# Allegro board WeChat_ZM_PART_20200601.brd (continued)
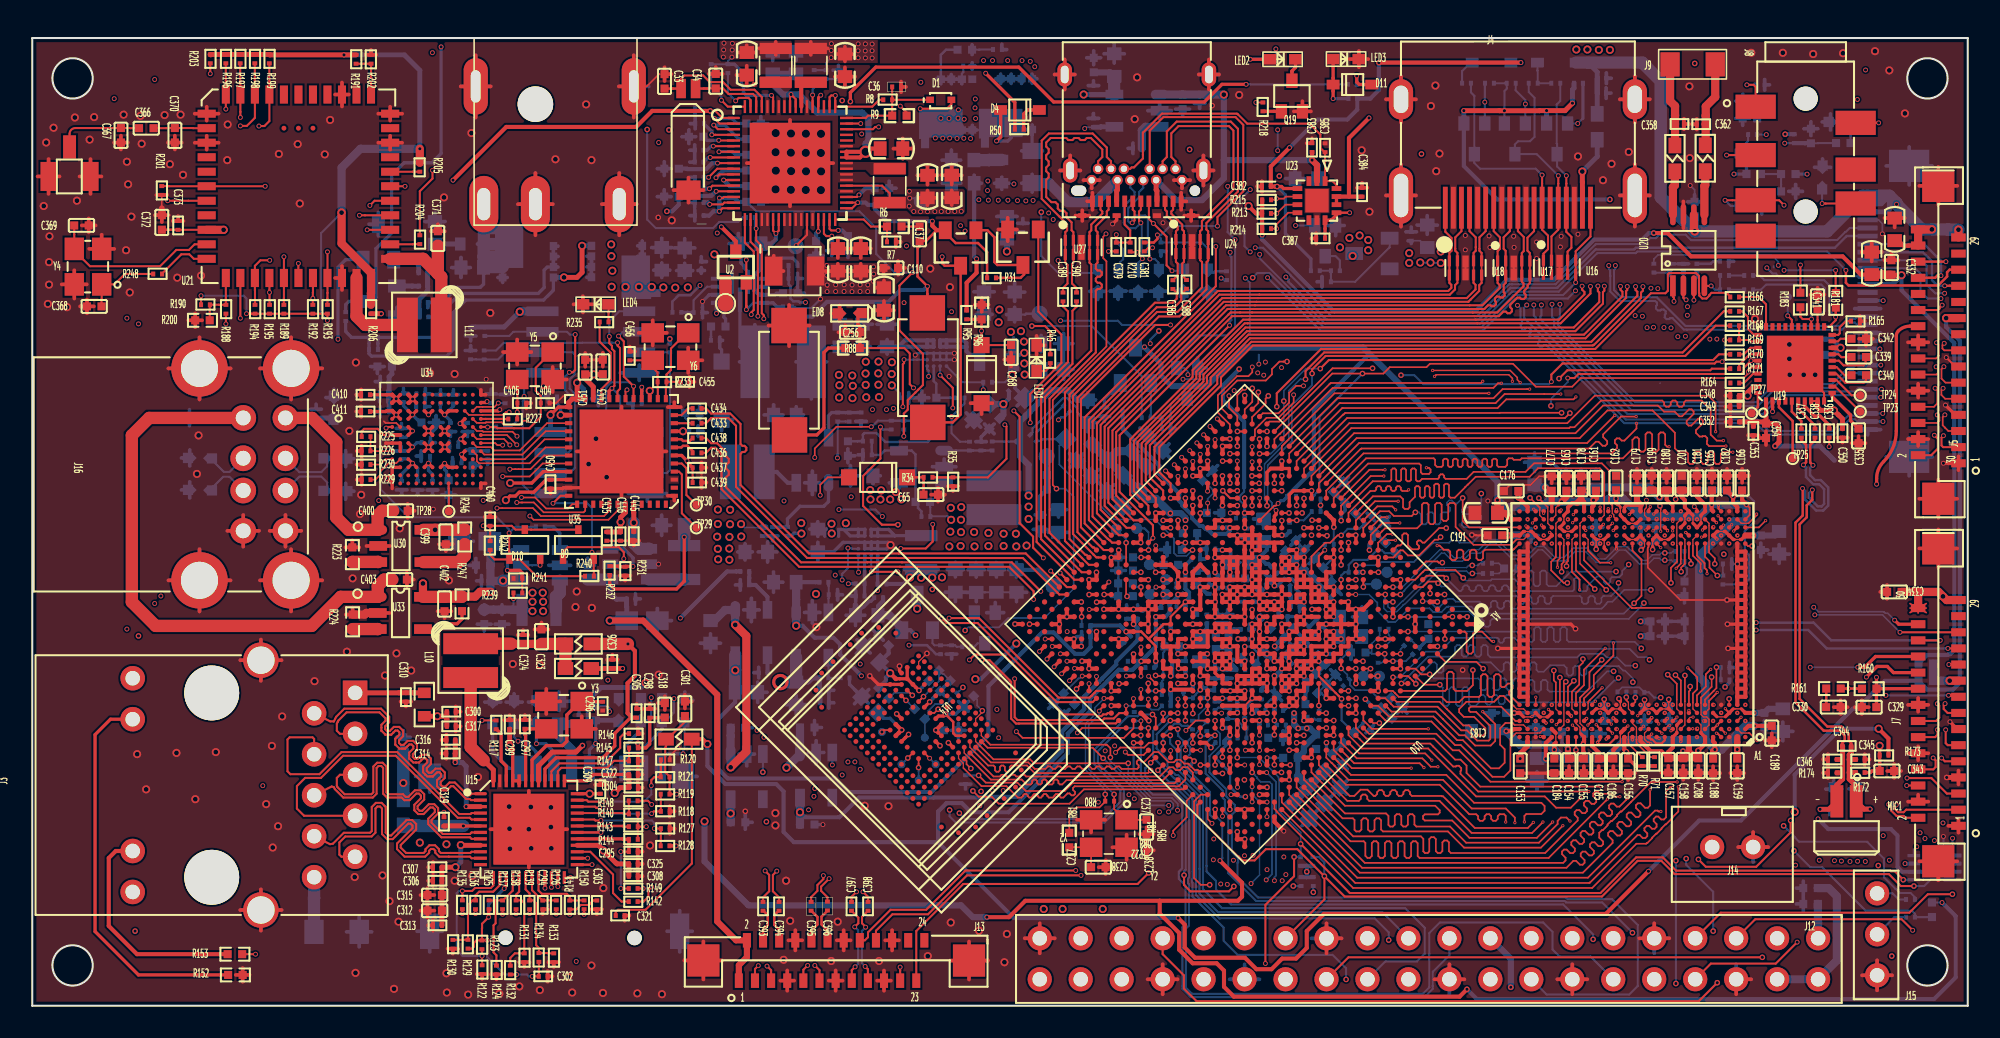
[diagram p0: board, top side]
## Routing (per net, layer and track width the routed paths; a pad name or vN(x,y) marks a point on that pad's centre or on a via; arc(x,y) is an arc through that point) (continued)
  TOP w0.152: v1(118.57,44.64) 118.9,44.64 118.9,44.63 J5.23
  SIG1 w0.127: v1(76.45,2.62) 76.72,2.62 J12.28 ; v1(118.57,44.64) 117.94,44.64 116.9,43.6 116.9,12.01 115.66,10.76 115.66,8.39 116,8.05 v2(116,7.81)
  BOTTOM w0.102: v2(78.64,10.04) 78.64,10.75 77.3,12.08 77.3,14.01 77.27,14.05 77.27,14.17 76.05,15.39 v2(74.71,15.39)
  BOTTOM w0.127: U29.5 v2(116,7.81) ; v2(78.64,10.04) R104.1 v2(78.23,9.23)
  BOTTOM w0.152: v1(118.57,44.64) 118.13,44.64 117.78,44.99 117.78,46.16 117.21,46.72 J6.23
I2C2_SCL_3V0: length 17.8
  TOP w0.127: v1(116.59,4.68) 115.9,5.36 106.83,5.36 J12.5
  SIG1 w0.127: v1(116.84,9.86) 116.84,7.9 117.02,7.73 117.02,5.11 v1(116.59,4.68)
  BOTTOM w0.127: v1(116.84,9.86) 116.66,9.68 U29.8
I2C2_SDA: length 106.5
  TOP w0.127: v2(116.66,7.42) 115.85,7.42 115.11,8.16 101.82,8.16 101,8.98 99.53,8.98 97.32,6.77 81.37,6.77 v2(80.11,8.03) ; J12.27 80.11,6.59 v2(80.11,8.03) ; v2(80.11,8.03) 78.44,9.71 76.48,9.71 75.79,9.01 75.04,9.01 74.8,9.25 74.75,9.25 72.24,11.77 72.24,12.45 U10.G31
  TOP w0.152: J5.24 117.98,45.13 118.11,45.27 v1(118.34,45.27)
  SIG1 w0.127: v2(116.66,7.42) 115.95,7.42 115.44,7.93 115.44,10.88 116.61,12.04 116.61,44.46 117.42,45.27 v1(118.34,45.27)
  BOTTOM w0.127: v2(116.66,7.42) 117.3,7.42 117.69,7.81 U29.4 ; v2(80.11,8.03) 80.11,8.87 79.76,9.23 R103.1
  BOTTOM w0.152: J6.24 117.3,47.22 118.34,46.18 v1(118.34,45.27)
I2C2_SDA_3V0: length 18.1
  SIG1 w0.127: v2(115.29,3.08) 115.7,3.08 119.51,6.89 119.51,9.94 v1(119.06,10.39)
  SIG2 w0.127: J12.3 109.29,3.08 v2(115.29,3.08)
  BOTTOM w0.127: U29.1 v1(119.06,10.39)
I2C7_SCL_HDMI: length 126.9
  TOP w0.102: U10.H28 73.4,14.4 v2(73.79,14.4)
  SIG1 w0.102: 115.37,23.3 115.37,13.93 114.76,13.32 v1(114.76,10.55) ; v1(110.79,9.02) 109.12,7.35 79.74,7.35 v2(79.43,7.04) 79.23,6.84 72.85,6.84 71.93,7.75 71.93,12.54 v2(73.79,14.4)
  SIG1 w0.127: 115.37,23.3 115.76,23.69 115.76,24.81 115.51,25.06 115.51,43.31 115.19,43.63 115.19,49.72 115.53,50.06 115.53,50.38 115.19,50.72 115.19,56.49 v1(113.67,58.02)
  SIG2 w0.102: v1(114.76,10.55) 112.32,10.55 v1(110.79,9.02)
  SIG2 w0.127: v1(92.57,55.91) 93.75,57.09 93.75,57.34 94.43,58.02 v1(113.67,58.02)
  BOTTOM w0.127: Q15.2 v1(92.57,55.91) 92.57,56.15 91.97,56.76 R154.2 ; R106.1 v2(79.43,7.04)
I2C7_SDA_HDMI: length 116.2
  TOP w0.102: U10.G30 72.44,13.09 72.03,12.68 72.03,7.91 72.45,7.5 v2(73,7.5)
  SIG1 w0.102: v2(73,7.5) 73,7.27 73.23,7.04 77.8,7.04 v2(78.18,7.42) 78.82,7.42 79.78,8.39 80.78,8.39 81.62,7.55 108.93,7.55 112.17,10.79 112.17,21.16 112.89,21.87 112.89,33.72 113.16,33.98 v1(113.16,56.19)
  SIG2 w0.127: v1(113.16,56.19) 111.84,56.19 110.35,54.7 v1(95.82,54.7)
  BOTTOM w0.127: 96.14,55.02 v1(95.82,54.7) Q17.2 ; R105.1 v2(78.18,7.42)
  BOTTOM w0.203: 96.14,55.02 R158.2
I2C_SCL: length 72.3
  TOP w0.102: R213.2 v1(77.16,49.12) 77.71,49.67 U23.6 ; v1(67.16,15.71) 67.46,16.01 68.15,16.01 68.16,16 68.41,16 68.41,16.01 68.94,16.01 69.23,16.3 U10.P30
  SIG1 w0.102: v1(66.1,12.62) 66.1,13.32 67.16,14.39 v1(67.16,15.71) ; v1(57.84,48.04) 58.27,47.6 58.27,35.08 56.3,33.11 56.3,28.4 60.39,24.31 60.39,23.98 60.39,22.02 60.55,21.86 60.55,15.22 60.2,14.86 v1(60.2,13.34)
  SIG2 w0.102: v1(77.16,49.12) 76.96,48.93 65.43,48.93 64.24,47.73 58.14,47.73 v1(57.84,48.04) ; v1(60.2,13.34) 63.91,13.34 64.08,13.52 65.56,13.52 66.1,12.98 v1(66.1,12.62)
I2C_SCL_CAM: length 68.3
  TOP w0.102: U10.Y6 v2(78.4,30.09)
  TOP w0.127: v1(95.2,38.92) 95.62,38.92 95.87,39.17 105.97,39.17 106.11,39.31 106.11,39.54 v1(106.56,40) ; J7.23 v1(118.77,22.16)
  TOP w0.152: U19.35 v1(106.56,40)
  SIG1 w0.127: v1(106.88,23.3) 108.61,25.02 108.61,35.42 107.7,36.33 107.69,36.33 107.38,36.64 107.38,39.62 107,40 v1(106.56,40)
  SIG2 w0.102: v2(94.16,37.19) 93.93,37.19 93.78,37.34 83.06,37.34 79.73,34.02 79.73,31.83 79.25,31.35 79.25,30.51 78.83,30.09 v2(78.4,30.09)
  BOTTOM w0.102: v2(94.16,37.19) 94.16,37.62 95.2,38.66 v1(95.2,38.92)
  BOTTOM w0.127: R102.1 79.32,30.61 79.15,30.44 79.15,30.42 79.15,30.41 78.95,30.21 78.95,30.21 78.83,30.09 v2(78.4,30.09)
  BOTTOM w0.152: v1(118.77,22.16) 111.25,22.16 110.11,23.3 v1(106.88,23.3)
I2C_SCL_PMIC: length 79.2
  TOP w0.102: U10.N30 v2(70.12,16.3)
  TOP w0.127: v1(56.29,39.1) 57.07,38.31 v1(57.07,37.06) ; v1(53.85,28.35) 55.4,28.35 55.83,28.78 v1(55.83,29.85) ; v1(44.99,42.75) 44.99,45.46 44.98,45.46 44.98,46.84 44.96,46.86 44.96,46.94 44.53,47.37 U1.19 ; v1(53.67,26.9) v1(52.02,26.9)
  SIG1 w0.127: v1(51,15.12) 51,15.33 50.69,15.65 50.69,25.24 52.02,26.57 v1(52.02,26.9) ; v1(53.67,26.9) 53.85,27.08 v1(53.85,28.35) ; v1(57,43.03) 56.29,42.32 v1(56.29,39.1) ; v1(55.83,29.85) 55.83,33.3 57.87,35.35 57.87,36.72 57.53,37.06 v1(57.07,37.06)
  SIG2 w0.102: v1(51,15.12) 51.31,15.12 52.5,13.92 56.38,13.92 57.97,15.51 58.09,15.51 58.1,15.51 64.93,15.51 65.24,15.51 66.03,14.73 68.08,14.73 68.25,14.91 68.25,15.16 68.25,15.16 68.25,15.52 69.03,16.3 v2(70.12,16.3)
  SIG2 w0.127: v1(44.99,42.75) 45.27,43.03 v1(57,43.03)
  BOTTOM w0.102: 71.65,17.36 71.67,17.36 71.91,17.12 R98.1
  BOTTOM w0.127: 71.93,17.2 71.81,17.2 71.65,17.36 71.25,17.36 71.12,17.49 70.83,17.49 70.12,16.78 v2(70.12,16.3) ; v1(52.02,26.9) 52.02,27.75 52.02,27.75 U3.A3 ; U8.A3 56.28,39.47 56.29,39.47 v1(56.29,39.1)
I2C_SDA: length 78.3
  TOP w0.102: v1(67.77,15.73) 67.95,15.55 68.9,15.55 U10.P31 ; U23.7 77.87,49.17 77.15,48.45 v1(77.15,48.18) R214.2
  SIG1 w0.102: v1(68,13.09) 67.61,13.47 67.61,15.25 67.77,15.4 v1(67.77,15.73) ; v1(54.2,47.11) 54.2,44.3 54.36,44.15 54.36,37.05 54.84,36.57 54.84,30.96 54.36,30.48 54.36,29.19 59.58,23.97 59.58,21.69 59.74,21.52 59.74,18.85 59.51,18.62 59.51,16.63 59.79,16.35 59.79,15.18 59.35,14.74 59.35,13.54 59.26,13.45 59.26,12.91 v1(58.75,12.4)
  SIG2 w0.102: v1(68,13.09) 67.79,13.09 66.7,11.99 60.31,11.99 59.5,12.8 59.27,12.8 59.11,12.64 59.11,12.63 59.02,12.54 58.89,12.54 v1(58.75,12.4) ; v1(54.2,47.11) 57.64,47.11 57.91,47.38 73.91,47.38 74.65,48.11 76.88,48.11 76.95,48.18 v1(77.15,48.18)
I2C_SDA_CAM: length 72.7
  TOP w0.102: U10.AG1 80.6,39.2 v2(82.47,39.2) 83.77,39.2 84.16,39.59 86.44,39.59 86.65,39.8 91.8,39.8 93.22,38.38 95.48,38.38 96.01,38.92 106.1,38.92 106.4,39.21 v1(106.4,39.3)
  TOP w0.127: J7.24 v1(118.29,22.66)
  TOP w0.152: U19.36 106.57,39.6 106.42,39.44 106.42,39.33 106.41,39.32 106.41,39.31 v1(106.4,39.3)
  SIG1 w0.127: v1(106.88,23.75) 108.39,25.27 108.39,35.33 107.61,36.11 107.6,36.11 107.16,36.55 107.16,39.03 106.74,39.46 106.56,39.46 v1(106.4,39.3)
  BOTTOM w0.127: R101.1 79.32,31.45 79.49,31.62 79.49,31.67 79.63,31.81 79.63,31.81 79.81,31.98 79.81,36.53 v2(82.47,39.2)
  BOTTOM w0.152: v1(118.29,22.66) 111.54,22.66 110.44,23.75 v1(106.88,23.75)
I2C_SDA_PMIC: length 79.2
  TOP w0.102: v2(72.41,16.72) 72.41,17.22 U10.M26
  TOP w0.127: U1.18 44.18,47.31 44.73,46.77 44.73,45.39 44.76,45.36 44.76,44.35 44.73,44.31 44.73,43.13 44.58,42.98 v1(44.58,42.86) ; v1(53.98,37.14) 53.98,39.77 54.05,39.85 v1(54.05,40.06)
  SIG1 w0.127: v1(50.01,30.76) 50.01,28.94 v1(50.57,28.38) ; v1(53.98,37.14) 54.64,36.48 54.64,31.04 53.92,30.33 v1(52.7,30.33) ; v1(54.05,43.59) v1(54.05,40.06) ; v1(50.22,26.4) v1(50.22,14.31)
  SIG2 w0.102: 72.41,16.77 v2(72.41,16.72) 72.41,16.25 71.37,15.21 69.95,15.21 69.56,15.6 69.15,15.6 68.85,15.3 68.85,15.26 68.85,15.26 68.85,14.68 68.83,14.67 68.83,14.66 68.32,14.15 68.22,14.15
  SIG2 w0.127: v1(44.58,42.86) 44.58,43.07 44.82,43.31 52.83,43.31 53.11,43.59 v1(54.05,43.59) ; v1(50.22,14.31) 51.18,13.34 56.14,13.34 57.61,13.34 58.06,13.8 58.98,13.8 59.33,14.15 68.22,14.15
  BOTTOM w0.127: v1(52.7,30.33) 52.27,30.76 v1(50.01,30.76) ; v2(72.41,16.72) 72.71,16.72 72.82,16.83 R97.1 ; U3.B1 50.83,28.33 50.78,28.38 v1(50.57,28.38) 50.57,27.13 50.22,26.78 v1(50.22,26.4) ; v1(54.05,40.06) 54.62,40.06 54.63,40.05 54.87,40.05 54.87,40.06 55.3,40.06 55.3,40.06 U8.B1
I2S0_LRCK_RX: length 93.4
  TOP w0.102: U10.AF4 v2(76.09,33.31)
  SIG2 w0.127: v2(76.09,33.31) 77.12,33.31 77.26,33.45 77.7,33.45 83.18,38.94 83.49,38.94 84.02,38.94 84.57,39.49 96.03,39.49 103.39,32.12 105.99,32.12 108.13,29.98 108.13,29.2 108.13,14.05 108,13.92 105.11,11.03 105.11,10.67 105.11,8.64 104,7.54 101.88,5.42 101.42,5.42 76.4,5.42 J12.29
I2S0_LRCK_TX: length 103.7
  TOP w0.102: U10.AJ2 75.63,36.5 76.46,37.33 76.46,37.43 76.47,37.43 76.47,37.64 v2(76.63,37.81)
  TOP w0.127: v2(103.3,9.07) 103.76,8.62 106.88,8.62 109.02,10.75 v2(109.02,11.49)
  SIG2 w0.127: v2(76.63,37.81) 77.16,38.33 77.55,38.33 80.83,41.62 94.5,41.62 96.91,41.62 104.28,34.26 105.64,34.26 106.87,34.26 108.12,33.01 110.26,30.86 110.26,29.28 110.26,28.32 110.26,27.26 110.85,26.68 110.85,20.15 109.66,18.97 109.66,13.12 108.85,12.31 108.85,11.65 v2(109.02,11.49) ; J12.31 74.07,5.63 101.51,5.63 101.79,5.63 103.3,7.14 v2(103.3,9.07)
I2S0_SCLK: length 108.5
  TOP w0.127: U10.AG3 v2(76.09,35.14) ; v2(104.47,1.43) 103.33,0.28 72.19,0.28 71.4,1.07 71.4,1.88 70.08,3.2 J12.33
  SIG2 w0.127: v2(76.09,35.14) 77.57,35.14 82.78,40.35 95.03,40.35 96.39,40.35 103.75,32.99 106.34,32.99 106.85,32.48 108.99,30.34 108.99,29.8 108.99,28.85 108.99,13.67 108.61,13.29 107.99,12.67 107.99,12.13 107.99,12.13 107.99,9.44 106.67,8.12 106.67,3.42 105.97,2.72 105.08,2.72 104.47,2.11 v2(104.47,1.43)
I2S0_SDI0: length 99.5
  TOP w0.102: U10.Y7 v2(77.47,30.08)
  SIG2 w0.127: J12.35 69.63,6.27 101.51,6.27 102.23,6.98 102.23,10.49 102.32,10.58 102.32,10.62 103.56,11.85 104.97,11.85 105.09,11.98 107.48,14.37 107.48,29.09 106.91,29.66 106.44,29.66 104.67,31.42 103.18,31.42 96.83,37.78 82.9,37.78 78.46,33.34 78.46,32.03 77.7,31.27 77.7,30.78 77.47,30.55 v2(77.47,30.08)
I2S0_SDI1SDO3: length 105.6
  TOP w0.127: U10.AE5 v2(75.62,32.85)
  SIG2 w0.127: v2(75.62,32.85) 76.97,32.85 77.35,33.24 77.79,33.24 83.21,38.66 83.21,38.66 83.27,38.73 83.58,38.73 85.32,38.73 85.84,39.25 85.98,39.25 85.98,39.25 95.96,39.25 103.3,31.91 105.9,31.91 107.91,29.89 107.91,29.29 107.91,14.14 105.19,11.42 103.78,11.42 103.53,11.17 102.86,10.5 102.86,7.23 101.69,6.06 101.61,6.06 101.6,6.05 69.95,6.05 68.88,4.98 68.88,3.87 68.1,3.08 66.11,3.08 J12.37
I2S0_SDI2SDO2: length 105.9
  TOP w0.127: U10.AA6 v2(77.92,30.55)
  SIG2 w0.102: v2(101.9,9) 101.9,10.47 102.11,10.67 102.11,10.71 103.47,12.07 104.88,12.07 107.28,14.47 107.28,29.01 106.82,29.46 105.19,29.46 103.43,31.22 103.09,31.22 96.74,37.57 83,37.57 78.66,33.24 78.66,31.95 78.59,31.87 78.59,31.86 77.92,31.19 v2(77.92,30.55)
  SIG2 w0.127: v2(101.9,1.38) 101.9,1 101.54,0.63 66.02,0.63 J12.38
  BOTTOM w0.127: v2(101.9,1.38) v2(101.9,9)
I2S0_SDI3SDO1: length 114.8
  TOP w0.102: v2(76.56,35.61) 76.33,35.61 76.33,35.61 U10.AH2
  SIG2 w0.127: v2(76.56,35.61) 77.73,35.61 82.56,40.44 82.69,40.57 94.94,40.57 96.48,40.57 103.84,33.2 106.07,33.2 106.43,33.2 107.06,32.57 109.21,30.43 109.21,29.71 109.21,28.76 109.21,13.58 109.08,13.45 108.7,13.07 108.2,12.58 108.2,12.22 108.2,9.35 106.88,8.03 106.88,1.25 106.05,0.41 63.69,0.41 J12.40
I2S0_SDO0: length 101.8
  TOP w0.102: U10.AH1 76.7,36.22 77.31,36.22 80.62,39.52 v2(83.1,39.52)
  SIG2 w0.127: v2(83.1,39.52) 83.99,39.52 84.14,39.67 84.39,39.92 95.21,39.92 96.21,39.92 103.57,32.56 106.16,32.56 106.42,32.3 108.56,30.16 108.56,29.98 108.56,29.03 108.56,13.87 108.18,13.49 105.54,10.85 105.54,8.46 104.43,7.36 104.43,7.36 101.89,4.82 101.89,4.08 100.97,3.15 69.06,3.15 J12.36
I2S1_LRCK_TX: length 32.9
  TOP w0.102: U10.AJ1 76.3,36.73 77.26,36.73 77.93,37.4 77.93,38 78.36,38.44 v1(78.82,38.44) ; R169.1 v1(104.93,41.28)
  TOP w0.127: v1(94.18,38.69) 94.18,39.13 94.87,39.82 104.31,39.82 104.42,39.93 v1(104.78,39.93)
  SIG1 w0.127: v1(78.82,38.44) 79.62,38.44 80,38.82 84.58,38.82 v2(84.86,39.1)
  BOTTOM w0.127: v1(104.93,41.28) 104.93,40.09 v1(104.78,39.93) ; v2(84.86,39.1) 85.69,39.1 86.25,38.54 94.03,38.54 v1(94.18,38.69)
I2S_ADCDAT: length 3.3
  TOP w0.127: U19.30 107.49,43.49 107.04,43.94 R166.2
I2S_BCLK: length 1.3
  TOP w0.127: R170.2 106.12,40.39 106.53,40.8 U19.33
I2S_CLK: length 112.5
  TOP w0.102: v1(76.1,31.48) 76.1,31.02 U10.AC7
  TOP w0.127: R171.1 104.14,39.5 104.04,39.4 95.17,39.4 v2(94.66,38.89)
  SIG2 w0.102: v2(94.66,38.89) 94.66,38.89 94.51,39.03 85.93,39.03 85.42,38.52 83.66,38.52 83.36,38.52 78.26,33.42 78.26,32.12 77.61,31.48 v1(76.1,31.48)
  SIG2 w0.127: J12.32 73.92,2.94 101.05,2.94 101.14,3.03 103.45,3.03 104.22,3.79 v2(104.22,4.63) ; v2(102.54,9.12) 102.54,9.36 102.54,9.36 102.54,10.53 103.65,11.64 105.11,11.64 107.7,14.23 107.7,29.18 107,29.88 106.53,29.88 104.76,31.64 103.27,31.64 96.8,38.11 95.33,38.11 94.83,38.6 94.83,38.72 v2(94.66,38.89)
  BOTTOM w0.127: v2(104.22,4.63) 104.22,7.07 102.54,8.74 v2(102.54,9.12)
I2S_DACDAT: length 2.2
  TOP w0.127: R167.2 106.02,43.06 106.38,42.7 106.38,41.97 106.75,41.6 U19.31
I2S_LRCK: length 2.1
  TOP w0.127: 105.82,42.22 R168.2 R169.2 106.45,41.28 106.54,41.2 U19.32
I2S_MCLK: length 1.7
  TOP w0.127: R171.2 105.82,39.73 106.49,40.4 U19.34
INTB: length 4
  TOP w0.127: R150.1 33.87,6.53 33.86,6.52 R141.2 33.32,6.76 33.15,6.94 31.6,6.94 31.39,7.15 U15.20
LCD_BL_PWM1: length 85.7
  TOP w0.127: U10.AF5 v1(75.63,33.73)
  TOP w0.203: v1(118.81,19.25) 119.33,19.25 J7.17
  SIG1 w0.102: v1(76.45,39.91) 77.93,38.43 77.93,34.93 76.72,33.73 v1(75.63,33.73)
  SIG1 w0.152: v1(114.76,43.72) 115.27,43.21 115.27,24.8 114.86,24.39 114.86,19.54 114.92,19.47 v1(114.92,19.25)
  SIG2 w0.127: v1(76.45,39.91) 76.45,40.12 76.59,40.26 v1(76.59,45.14) ; v1(114.76,43.72) 104.11,43.72 103.63,44.2 101.45,44.2 100.97,43.72 96.29,43.72 v1(95.68,44.33)
  BOTTOM w0.127: v1(118.81,19.25) v1(114.92,19.25) ; v1(95.68,44.33) 95.2,43.85 91.92,43.85 89.94,41.86 79.87,41.86 v1(76.59,45.14)
  BOTTOM w0.152: v1(114.76,43.72) 114.5,43.72 114.5,43.72 J6.17
LCD_EN_H1: length 58.4
  TOP w0.102: U10.AG4 v1(75.63,34.67)
  TOP w0.203: v1(113.18,20.99) 113.61,20.99 114.28,21.66 J7.22
  SIG2 w0.127: v1(110.24,20.99) 110.24,23.78 109.42,24.59 109.42,28.67 109.42,29.62 109.42,30.52 107.28,32.66 106.52,33.42 105.99,33.42 103.93,33.42 96.57,40.78 94.85,40.78 82.59,40.78 77.73,35.92 75.97,35.92 75.63,35.58 v1(75.63,34.67)
  BOTTOM w0.102: v1(110.24,20.99) v1(113.18,20.99)
LCD_RST_H1: length 103.1
  TOP w0.102: v1(73.74,18.14) 73.71,18.14 73.71,18.14 U10.M24
  SIG1 w0.102: 107.87,13.01 107.87,10.17 v1(109.32,8.72) ; 73.69,18.09 v1(73.74,18.14) 73.74,17.61 72.95,16.82 72.95,16.75 72.18,15.99 72.07,15.99 70.8,14.72 70.8,13.39 70.16,12.75 70.16,7.87 70.87,7.17 70.93,7.17 70.94,7.16 71.99,7.16 72.69,6.46 79.7,6.46 80.2,6.96 109.28,6.96 109.33,7.02 109.75,7.02 v1(111.73,9)
  SIG1 w0.127: v1(107.54,45.75) 107.54,45.54 107.59,45.49 107.59,36.73 107.78,36.55 107.79,36.55 108.83,35.51 108.83,13.96 107.87,13.01
  SIG2 w0.102: v1(111.73,9) 111.46,8.72 v1(109.32,8.72)
  BOTTOM w0.127: J6.20 108.28,45.22 108.11,45.4 107.9,45.4 v1(107.54,45.75)
LED0_AD0: length 38.2
  TOP w0.127: R119.1 38.96,12.78 38.97,12.77 R118.2 38.54,12.05 v1(38.4,11.91) ; U15.34 34.89,12.35 34.97,12.27 v1(35.18,12.27) ; R153.1 v1(13.84,3.2)
  SIG1 w0.127: v1(33.73,2.75) 33.73,3.09 33.73,12.06 33.95,12.27 v1(35.18,12.27)
  SIG2 w0.127: v1(13.84,3.2) 14.29,2.75 33.38,2.75 33.39,2.75 v1(33.73,2.75)
  BOTTOM w0.127: v1(35.18,12.27) 35.54,11.91 v1(38.4,11.91)
LED1_AD1: length 46.6
  TOP w0.127: R121.1 38.61,14.18 38.61,14.18 38.57,14.18 38.38,13.99 v1(38.38,13.65) ; U15.35 34.38,12.75 34.47,12.65 v1(35.41,12.65)
  TOP w0.152: R121.1 38.96,14.41 38.97,14.42 R120.2
  SIG1 w0.203: v1(35.69,20.19) 35.41,19.91 v1(35.41,12.65)
  SIG2 w0.203: v1(35.69,20.19) 33.13,22.74 8.66,22.74 J3.11
  BOTTOM w0.127: v1(35.41,12.65) 37.93,12.65 38.38,13.11 v1(38.38,13.65)
LED2_EN: length 111.4
  TOP w0.102: U10.V26 69.36,20.28 69.36,20.28 v1(69.22,20.43)
  SIG1 w0.102: v1(69.22,20.43) 68.88,20.76 67.46,20.76 65.81,19.11 65.81,9.43 69.27,5.97 71.56,5.97 72.22,5.31 80.17,5.31 80.68,5.82 109.75,5.82 109.76,5.83 110.85,5.83 110.89,5.87 111.63,5.87 v2(114.45,8.69)
  SIG1 w0.127: v1(117.93,10.24) 117.93,14.74 117.57,15.1 117.57,42.14 118.82,43.4 118.82,43.92 v1(118.57,44.18)
  SIG2 w0.102: v2(114.45,8.69) 115.44,8.69 116.31,9.56 117.25,9.56 v1(117.93,10.24)
  BOTTOM w0.127: J6.22 117.13,46.22 117.45,45.9 117.45,44.71 117.98,44.18 v1(118.57,44.18)
LED2_RXDLY: length 6.7
  TOP w0.127: v1(38.57,10.99) 38.58,10.98 R127.2 38.97,10.27 38.96,10.26 R128.1 ; v1(35.26,11.49) 34.91,11.49 34.85,11.55 U15.32
  BOTTOM w0.127: v1(38.57,10.99) 38.57,11.33 38.41,11.49 v1(35.26,11.49)
LOG_DVS_PWM: length 56.1
  TOP w0.102: U10.M28 71.5,16.09 71.5,16.09 v1(71.5,15.85) ; v1(48.51,33.99) 48.51,34.55 49.86,35.9 v1(52.02,35.9)
  SIG1 w0.102: v1(71.5,15.85) 70.61,14.97 70.61,13.47 69.89,12.74 v1(69.89,12.02) ; v1(48.51,13.47) 49.05,14 49.05,26.29 48.58,26.76 48.58,32.38 48.99,32.79 48.99,33.52 v1(48.51,33.99)
  SIG2 w0.102: v1(69.89,12.02) 68.68,12.02 68.28,11.61 50.37,11.61 v1(48.51,13.47)
  BOTTOM w0.127: R25.1 52.42,36.28 52.04,35.9 v1(52.02,35.9)
  BOTTOM w0.152: R25.1 R26.1 R23.1
MAC_COL: length 39.9
  TOP w0.127: v1(38.4,12.48) 38.18,12.71 R148.2
  TOP w0.203: U10.D27 v1(75.63,12.64)
  SIG2 w0.127: v1(38.4,12.48) 48.64,12.48 50.12,11 68.53,11 68.83,11.31 71.86,11.31 73.19,12.64 v1(75.63,12.64)
MAC_CRS: length 43.8
  TOP w0.102: U10.B27 v1(76.55,11.72)
  TOP w0.127: R149.2 v1(37.88,7.27)
  SIG1 w0.102: v1(76.55,11.72) 76.55,11.51 76.55,11.5 v1(76.55,8.44)
  SIG2 w0.127: v1(37.88,7.27) 38.12,7.03 40.3,7.03 42.2,8.93 72.33,8.93 72.62,8.64 76.35,8.64 v1(76.55,8.44)
MAC_MCLK: length 51.7
  TOP w0.127: R117.2 v1(27.89,17.69)
  TOP w0.203: U10.G24 v1(75.22,15.85)
  SIG2 w0.102: v1(27.89,17.69) 28.12,17.46 28.61,17.46 28.71,17.56 44.37,17.56 44.58,17.76 53.6,17.76 53.62,17.78 54.19,17.78 54.21,17.76 65.33,17.76 65.55,17.55 66.45,17.55 66.46,17.56 67.21,17.56 68.94,19.29 69.46,19.29 70.31,18.44 71.15,18.44 71.29,18.3 71.62,18.3 71.79,18.47 72.12,18.47 72.29,18.3 72.54,18.3 72.71,18.47 72.97,18.47 73.92,17.53 74.38,17.07 74.38,17.07 74.5,16.95 74.68,16.95 75.22,16.4 v1(75.22,15.85)
MAC_MDC: length 42
  TOP w0.152: U15.30 v1(35.26,10.75)
  TOP w0.203: v2(74.25,12.17) 74.25,12.45 74.25,12.45 U10.E29
  SIG2 w0.127: v1(35.26,10.75) 35.52,10.48 68.62,10.48 69.01,10.88 73.38,10.88 74.25,11.75 v2(74.25,12.17)
MAC_MDIO: length 46.3
  TOP w0.127: U10.G26 v1(75.17,14.93)
  TOP w0.152: U15.31 v1(35.76,11.15) 36.62,11.15 36.66,11.11 R143.2
  SIG2 w0.127: v1(75.17,14.93) 71.78,11.54 68.76,11.54 68.44,11.22 50.21,11.22 48.73,12.69 39.96,12.69 39.85,12.8 36.8,12.8 35.76,11.76 v1(35.76,11.15)
MAC_RXCLK: length 55
  TOP w0.127: R126.2 v1(32.49,5.69)
  TOP w0.203: U10.F25 75.63,14.82 75.63,14.82 v2(75.63,14.47)
  SIG2 w0.127: v1(32.49,5.69) 32.92,5.26 34.28,5.26 35.51,6.5 40.53,6.5 42.49,8.46 44.93,8.46 45.41,7.98 46.2,7.98 46.61,8.39 49.89,8.39 50.66,7.61 71.92,7.61 72.47,8.16 75.94,8.16 76.29,7.8 v1(76.5,7.8)
  BOTTOM w0.102: v2(75.63,14.47) 75.8,14.3 75.95,14.15 75.95,14.1 76.16,13.89 76.71,13.89 76.86,13.73 76.86,8.16 v1(76.5,7.8)
MAC_RXD0: length 57.5
  TOP w0.127: R136.2 v1(27.48,5.71)
  TOP w0.203: U10.E26 v1(75.63,13.58)
  SIG2 w0.127: v1(75.56,7.57) 75.56,7.12 75.16,6.71 52.17,6.71 51.81,6.34 51.4,6.34 51.4,6.34 42.61,6.34 41.56,5.29 36.07,5.29 34.96,4.18 30.98,4.18 30,5.16 28.04,5.16 v1(27.48,5.71)
  BOTTOM w0.102: v1(75.63,13.58) 75.63,13.11 75.96,12.78 75.97,12.78 76.09,12.65 76.09,8.1 v1(75.56,7.57)
MAC_RXD1: length 54.2
  TOP w0.127: R137.2 v1(29.16,5.68)
  TOP w0.203: v1(74.73,13.54) 74.71,13.56 U10.F27
  SIG1 w0.102: v1(74.09,7.52) 74.09,7.72 74.17,7.8 74.17,11.78 73.89,12.06 73.89,13.09 74.35,13.54 v1(74.73,13.54)
  SIG2 w0.127: v1(74.09,7.52) 73.94,7.37 73.94,7.36 73.81,7.23 73.8,7.23 73.51,6.94 52.1,6.94 51.72,6.56 51.31,6.56 51.31,6.56 42.42,6.56 41.45,5.59 35.91,5.59 34.76,4.45 31.14,4.45 30.2,5.39 29.45,5.39 v1(29.16,5.68)
MAC_RXD2: length 50.4
  TOP w0.102: U10.E30 v1(73.79,11.75)
  TOP w0.127: R138.2 v1(30,5.71)
  SIG1 w0.102: v1(73.79,11.75) 73.79,11.55 73.98,11.36 73.98,8.04 73.69,7.75 v1(73.69,7.55)
  SIG2 w0.127: v1(73.69,7.55) 73.29,7.16 52.01,7.16 51.63,6.78 51.22,6.78 51.22,6.77 42.25,6.77 41.37,5.89 35.8,5.89 34.63,4.72 31.33,4.72 30.34,5.71 v1(30,5.71)
MAC_RXD3: length 55.7
  TOP w0.127: R139.2 v1(30.84,5.71)
  TOP w0.203: U10.E25 76.52,14.47 76.53,14.46 v1(76.53,14.46)
  SIG2 w0.127: v1(30.84,5.71) 31.55,5 34.49,5 35.67,6.18 41.28,6.18 42.16,7.07 50.34,7.07 50.67,7.4 72.01,7.4 72.56,7.94 75.81,7.94 76.25,7.5 76.76,7.5 v1(77.01,7.75)
  BOTTOM w0.102: v1(77.01,7.75) 77.01,7.97 77.11,8.07 77.11,13.87 v1(76.53,14.46)
MAC_RXDV: length 59.4
  TOP w0.127: R135.2 v1(26.67,5.71)
  TOP w0.203: U10.C27 v1(76.55,12.63)
  SIG1 w0.102: v1(76.55,12.63) 77.07,12.11 77.07,8.18 v1(77.5,7.75)
  SIG2 w0.127: v1(77.5,7.75) 77.5,7.39 76.6,6.49 52.26,6.49 51.9,6.13 51.49,6.13 51.49,6.13 42.8,6.13 41.67,5 36.21,5 35.11,3.89 30.85,3.89 29.86,4.88 29.62,4.88 29.62,4.88 29.07,4.88 29.06,4.88 27.49,4.88 v1(26.67,5.71)
MAC_RXER: length 54.2
  TOP w0.102: U10.F23 v3(76.98,15.85)
  TOP w0.127: R150.2 v1(34.21,5.67)
  SIG1 w0.102: v1(77.72,8.13) 77.9,8.31 77.9,12.75 76.83,13.82 76.83,14.65 76.66,14.83 76.66,15.07 76.98,15.39 v3(76.98,15.85)
  SIG2 w0.127: v1(34.21,5.67) 35.31,6.77 40.42,6.77 42.37,8.72 72.24,8.72 72.53,8.43 76.01,8.43 76.3,8.13 v1(77.72,8.13)
MAC_TXCLK: length 49.9
  TOP w0.127: U15.22 v1(32.19,7.34)
  TOP w0.203: U10.E28 v1(74.32,13.09)
  SIG1 w0.102: v1(74.47,9.02) 75.79,10.34 75.79,11.96 75.09,12.66 75.09,12.66 74.91,12.84 74.91,12.85 74.67,13.09 v1(74.32,13.09)
  SIG2 w0.127: v1(32.19,7.34) 32.34,7.19 32.46,7.07 34.4,7.07 35.09,7.77 40.28,7.77 41.91,9.4 74.09,9.4 v1(74.47,9.02)
MAC_TXD0: length 52.1
  TOP w0.127: U15.23 v1(32.59,7.39)
  TOP w0.203: v2(76.56,13.54) 76.51,13.54 76.5,13.55 U10.D26
  SIG1 w0.102: v1(77.6,9.23) 77.29,9.53 77.29,12.81 v2(76.56,13.54)
  SIG2 w0.127: v1(32.59,7.39) 34.33,7.39 35.01,8.07 40.27,8.07 41.82,9.62 74.36,9.62 75.03,8.95 77.32,8.95 v1(77.6,9.23)
MAC_TXD1: length 50.9
  TOP w0.127: U15.24 33.34,7.95 33.35,7.95 v1(33.36,7.95)
  TOP w0.203: U10.G23 v1(76.09,15.84)
  SIG1 w0.102: v1(76.09,15.84) 75.81,15.56 75.81,14.83 75.97,14.68 75.97,13.4 75.79,13.22 75.79,12.89 76.01,12.67 76.01,10.15 v1(75.16,9.3)
  SIG2 w0.127: v1(75.16,9.3) 74.63,9.83 41.68,9.83 40.22,8.38 34.89,8.38 34.47,7.95 v1(33.36,7.95)
MAC_TXD2: length 49.2
  TOP w0.127: U10.F24 v1(76.09,14.95)
  TOP w0.152: U15.25 v1(34.71,8.75)
  SIG1 w0.102: v1(76.09,14.95) 76.25,14.79 76.25,13.36 76.4,13.2 76.4,12.96 76.25,12.81 76.25,9.89 v1(75.69,9.33)
  SIG2 w0.127: v1(34.71,8.75) 40.26,8.75 41.57,10.05 74.97,10.05 v1(75.69,9.33)
MAC_TXD3: length 48.5
  TOP w0.152: U15.26 v1(34.44,9.15)
  TOP w0.203: v2(75.63,16.31) 75.63,16.66 75.63,16.66 U10.H23
  SIG1 w0.102: v2(75.63,16.31) 75.19,16.31 74.63,15.74 74.63,15.72 74.41,15.51 74.41,15.26 74.57,15.1 74.57,14.61 72.39,12.43 72.39,11.2 v1(73.25,10.34)
  SIG2 w0.127: v1(34.44,9.15) 40.33,9.15 41.45,10.26 68.71,10.26 68.71,10.27 72.79,10.27 72.87,10.34 v1(73.25,10.34)
MAC_TXEN: length 47
  TOP w0.127: v1(38.4,7.37) 38.2,7.17 38.2,6.76 37.9,6.46 R142.2
  TOP w0.203: U10.H22 v1(76.09,16.78)
  SIG1 w0.102: v1(76.09,16.78) 76.09,16.31 74.78,14.99 74.78,14.24 73.01,12.48 73.01,12.48 72.97,12.44 72.97,12.05 73.6,11.42 73.6,10.18 73.33,9.91 73.33,9.15 v1(73.23,9.05)
  SIG2 w0.127: v1(73.23,9.05) 72.94,9.05 72.8,9.19 42.15,9.19 42.06,9.1 41.99,9.1 40.26,7.37 v1(38.4,7.37)
MDI0+: length 18.2
  TOP w0.127: U15.1 27.24,13.15 27.14,13.05 27,13.05 26.2,13.84 25.87,13.84 25.61,13.59 25.44,13.59 25.32,13.7 25.32,13.87 25.58,14.13 25.58,14.47 25.34,14.7 25,14.7 24.75,14.45 24.58,14.45 24.46,14.57 24.46,14.74 24.72,14.99 24.72,15.33 24.48,15.57 24.14,15.57 23.89,15.31 23.72,15.31 23.6,15.43 23.6,15.6 23.85,15.85 23.85,16.19 23.62,16.43 23.28,16.43 23.02,16.17 22.86,16.17 22.74,16.29 22.74,16.46 22.99,16.72 22.99,17.05 22.75,17.29 22.42,17.29 22.16,17.03 21.99,17.03 21.87,17.15 21.87,17.32 22.13,17.58 22.13,17.91 21.62,18.42 19.35,18.42 18.84,17.92 18.7,17.63 18.47,17.63 J3.2
MDI0-: length 18.2
  TOP w0.127: J3.3 19.08,16.86 18.88,17.05 18.88,17.48 18.98,17.69 19.49,18.19 21.53,18.19 21.9,17.82 21.9,17.67 21.65,17.42 21.65,17.06 21.9,16.81 22.26,16.81 22.51,17.06 22.66,17.06 22.76,16.96 22.76,16.81 22.64,16.69 22.51,16.55 22.51,16.2 22.76,15.94 23.02,15.94 23.12,15.94 23.37,16.2 23.52,16.2 23.63,16.09 23.63,15.95 23.37,15.69 23.37,15.33 23.62,15.08 23.98,15.08 24.24,15.34 24.38,15.34 24.49,15.23 24.49,15.09 24.23,14.83 24.23,14.47 24.49,14.22 24.84,14.22 25.1,14.47 25.25,14.47 25.35,14.37 25.35,14.22 25.23,14.1 25.09,13.97 25.09,13.61 25.35,13.36 25.52,13.36 25.71,13.36 25.96,13.61 26.11,13.61 26.9,12.82 27.12,12.82 27.2,12.75 U15.2
MDI1+: length 18.9
  TOP w0.127: U15.4 27.24,11.95 27.18,11.89 26.47,11.89 22.63,15.73 19.18,15.73 17.81,14.36 16.01,14.36 15.82,14.54 15.82,16.51 15.96,16.64 17.38,16.64 17.48,16.54 J3.4
MDI1-: length 19
  TOP w0.127: J3.7 16.85,11.78 16.41,12.22 16.41,13.62 16.92,14.13 17.9,14.13 19.27,15.5 22.54,15.5 26.38,11.66 27.13,11.66 27.24,11.55 U15.5
MDI2+: length 18.3
  TOP w0.127: J3.5 19.08,14.32 18.88,14.13 18.88,13.64 18.93,13.55 19.36,13.11 21.03,13.11 21.15,13.23 21.15,14.83 21.38,15.07 21.72,15.07 21.96,14.83 21.96,13.23 22.08,13.11 22.99,13.11 23.15,12.95 23.32,12.95 23.72,13.36 24.06,13.36 24.3,13.12 24.3,12.78 23.89,12.38 23.89,12.21 24.01,12.09 24.18,12.09 24.59,12.5 24.92,12.5 25.16,12.26 25.16,11.92 24.75,11.51 24.75,11.34 25.45,10.65 27.14,10.65 27.24,10.75 U15.7
